# Altium PCB UDC_IHM_V2.0.PcbDoc (part 1 of 2)
Units mm, origin at the board's own origin, x right, y up, seen from the top; angles counter-clockwise.
Board outline 64.5 x 60 mm, 4 copper layers (Top Layer, VCC, GND, Bottom Layer), stack 1.542 mm thick; 91 components, 78 nets, 394 pads, 187 vias.
Unrouted connection lines stored in the file: 1.
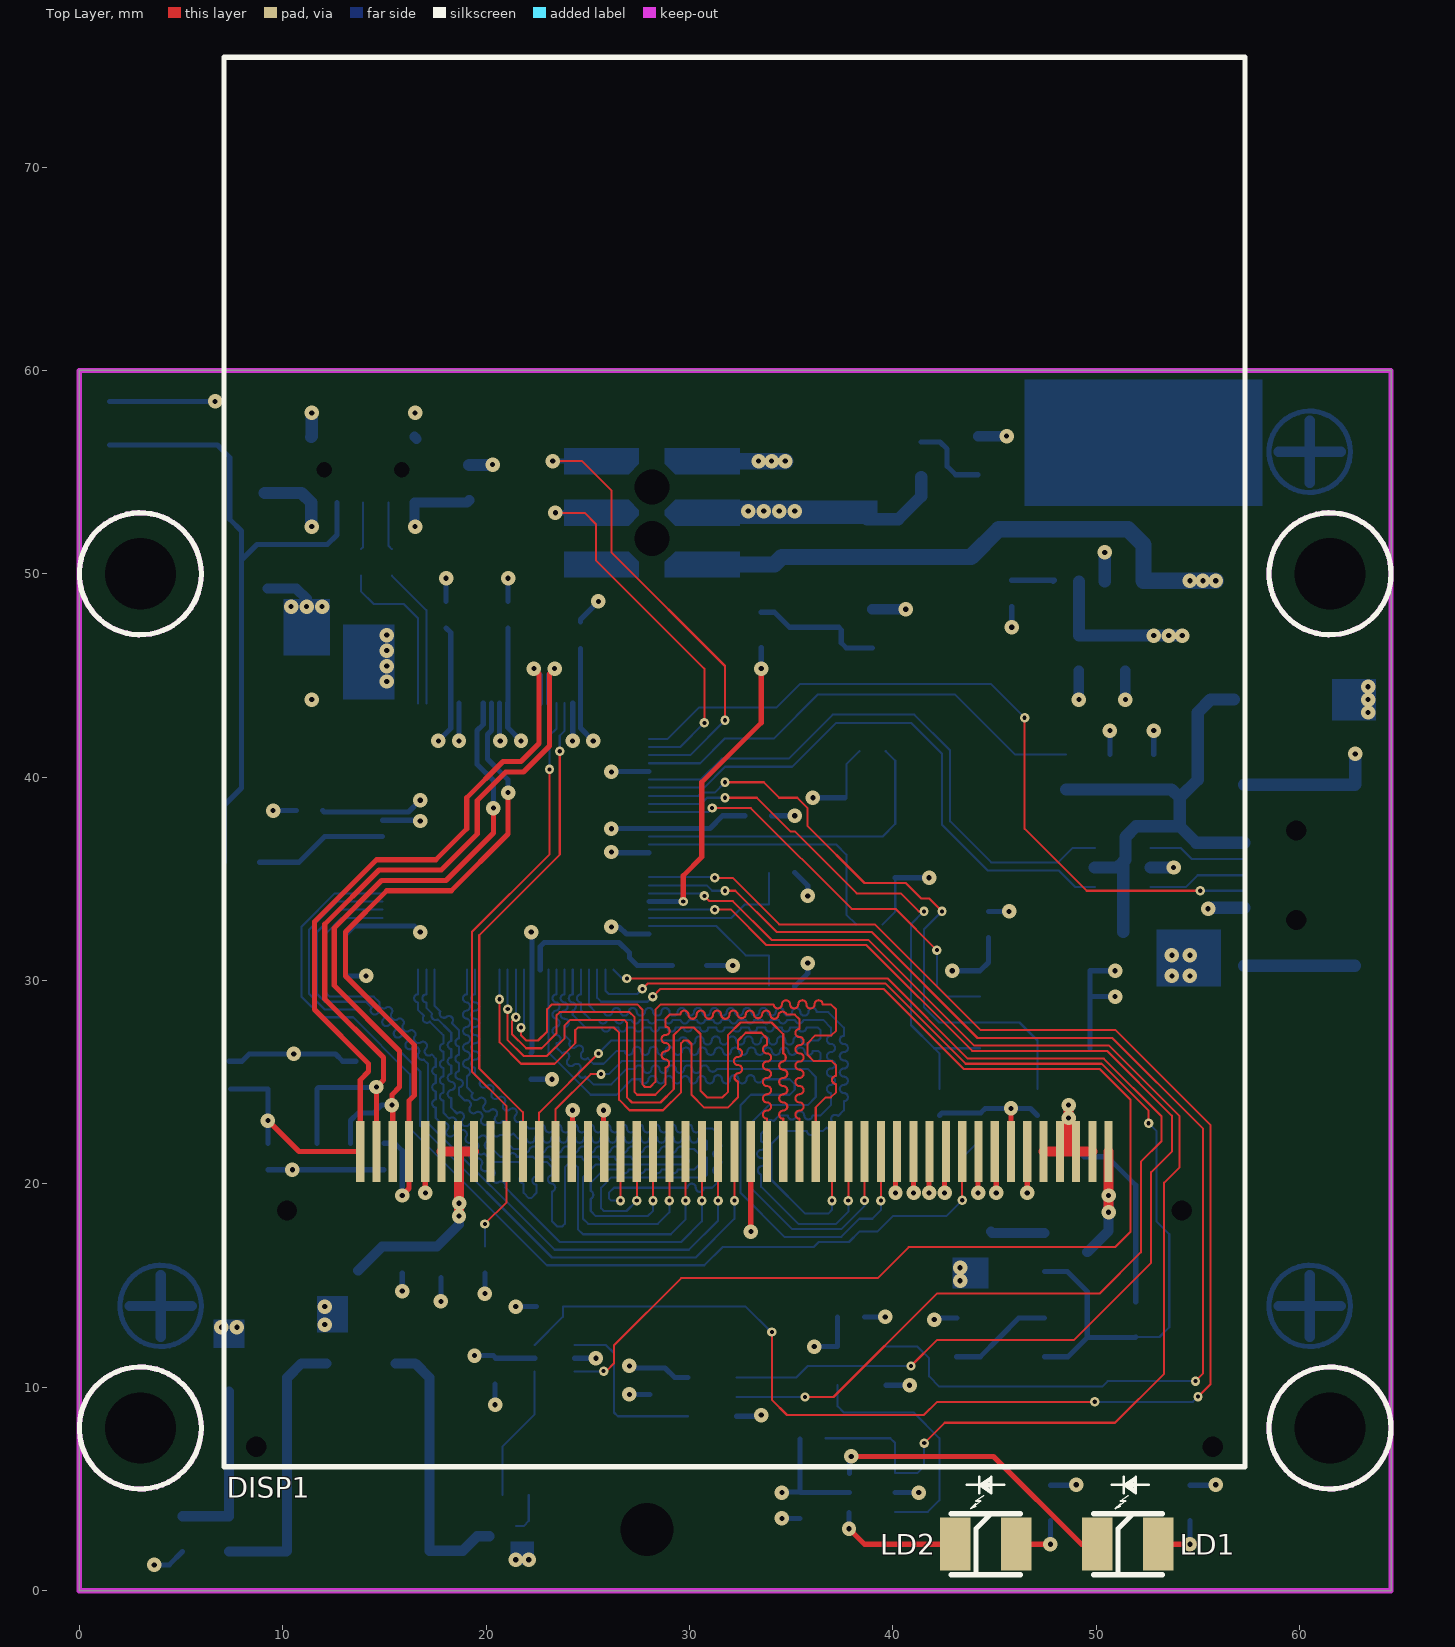
[diagram p0: Top Layer view]
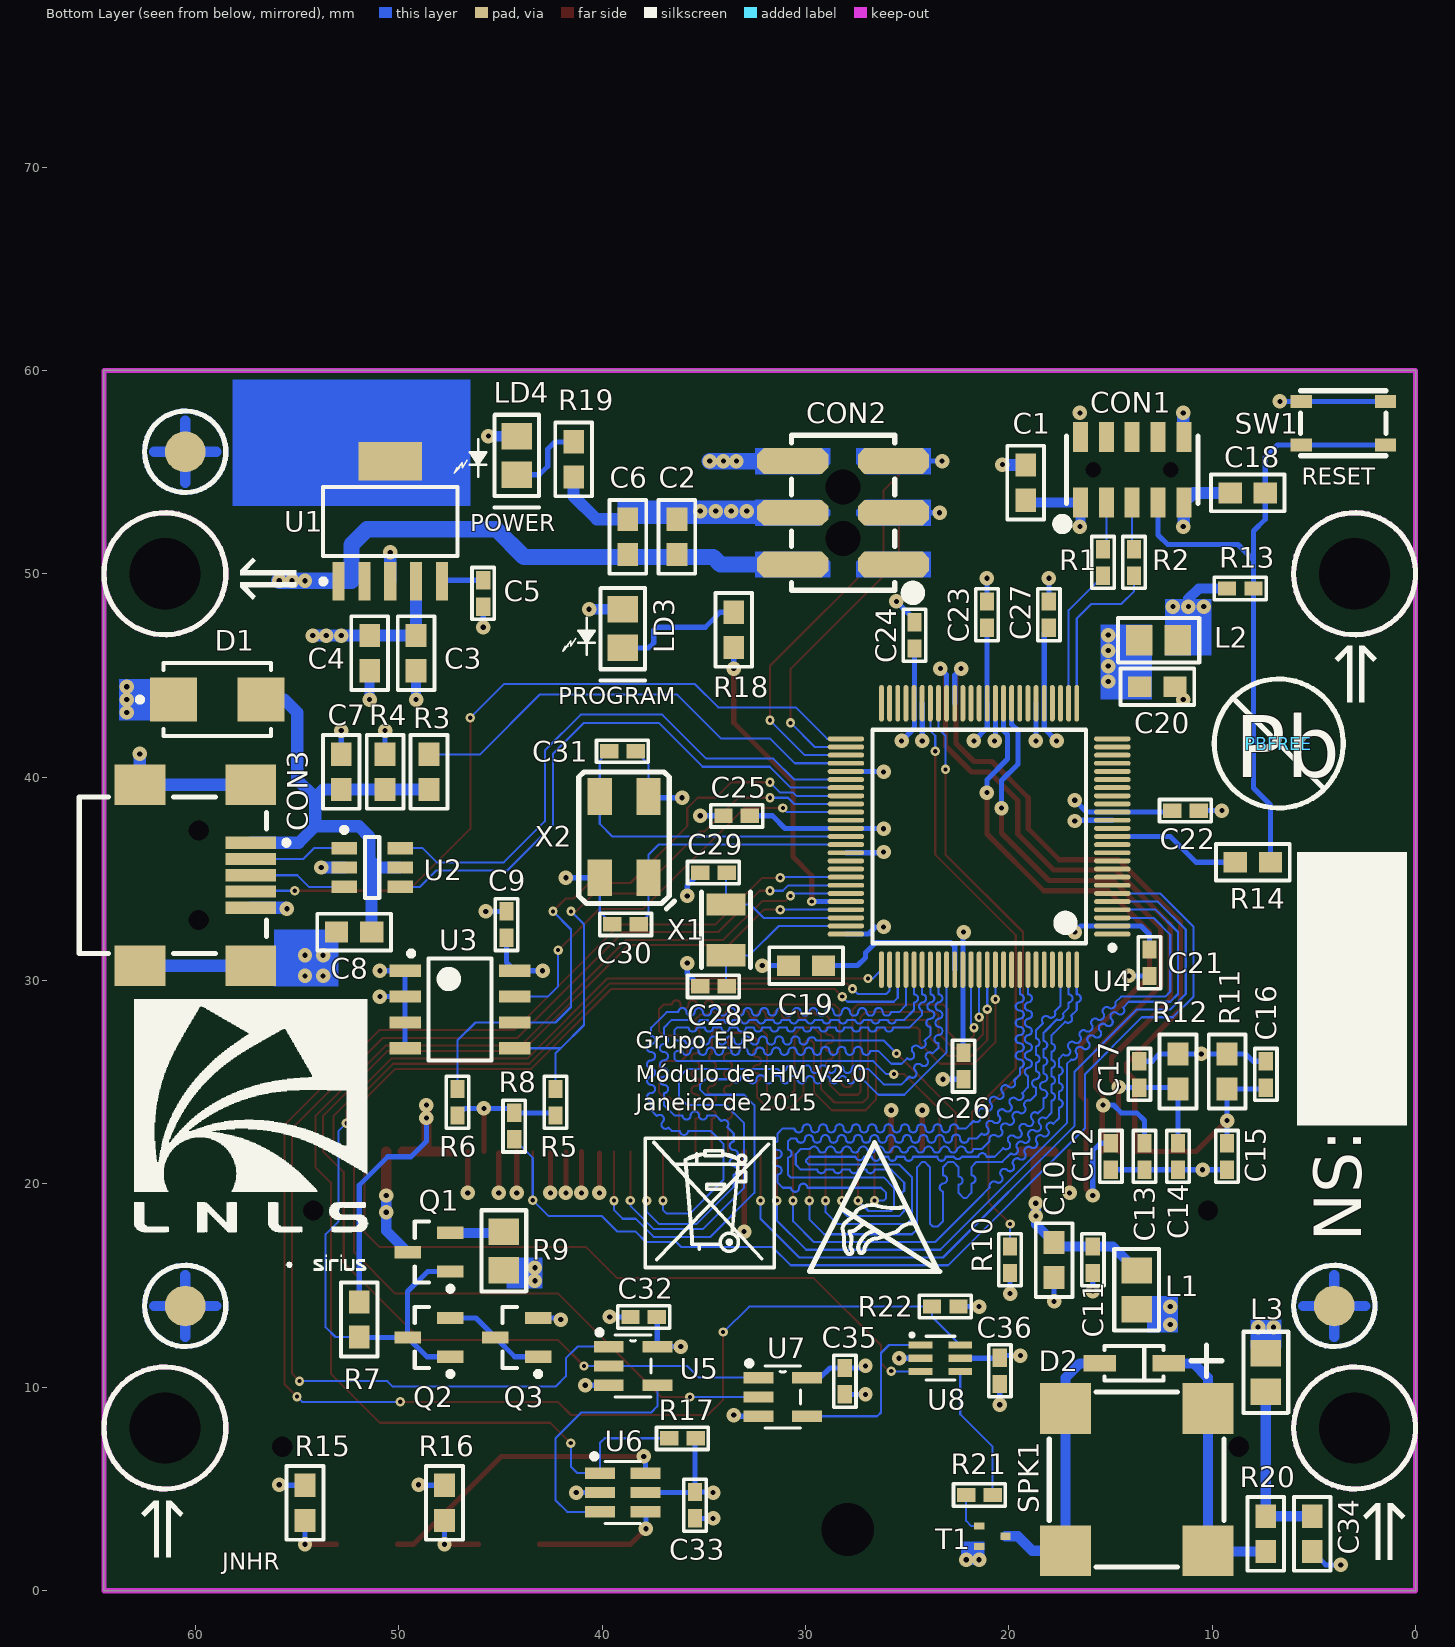
[diagram p1: Bottom Layer view, seen from below]
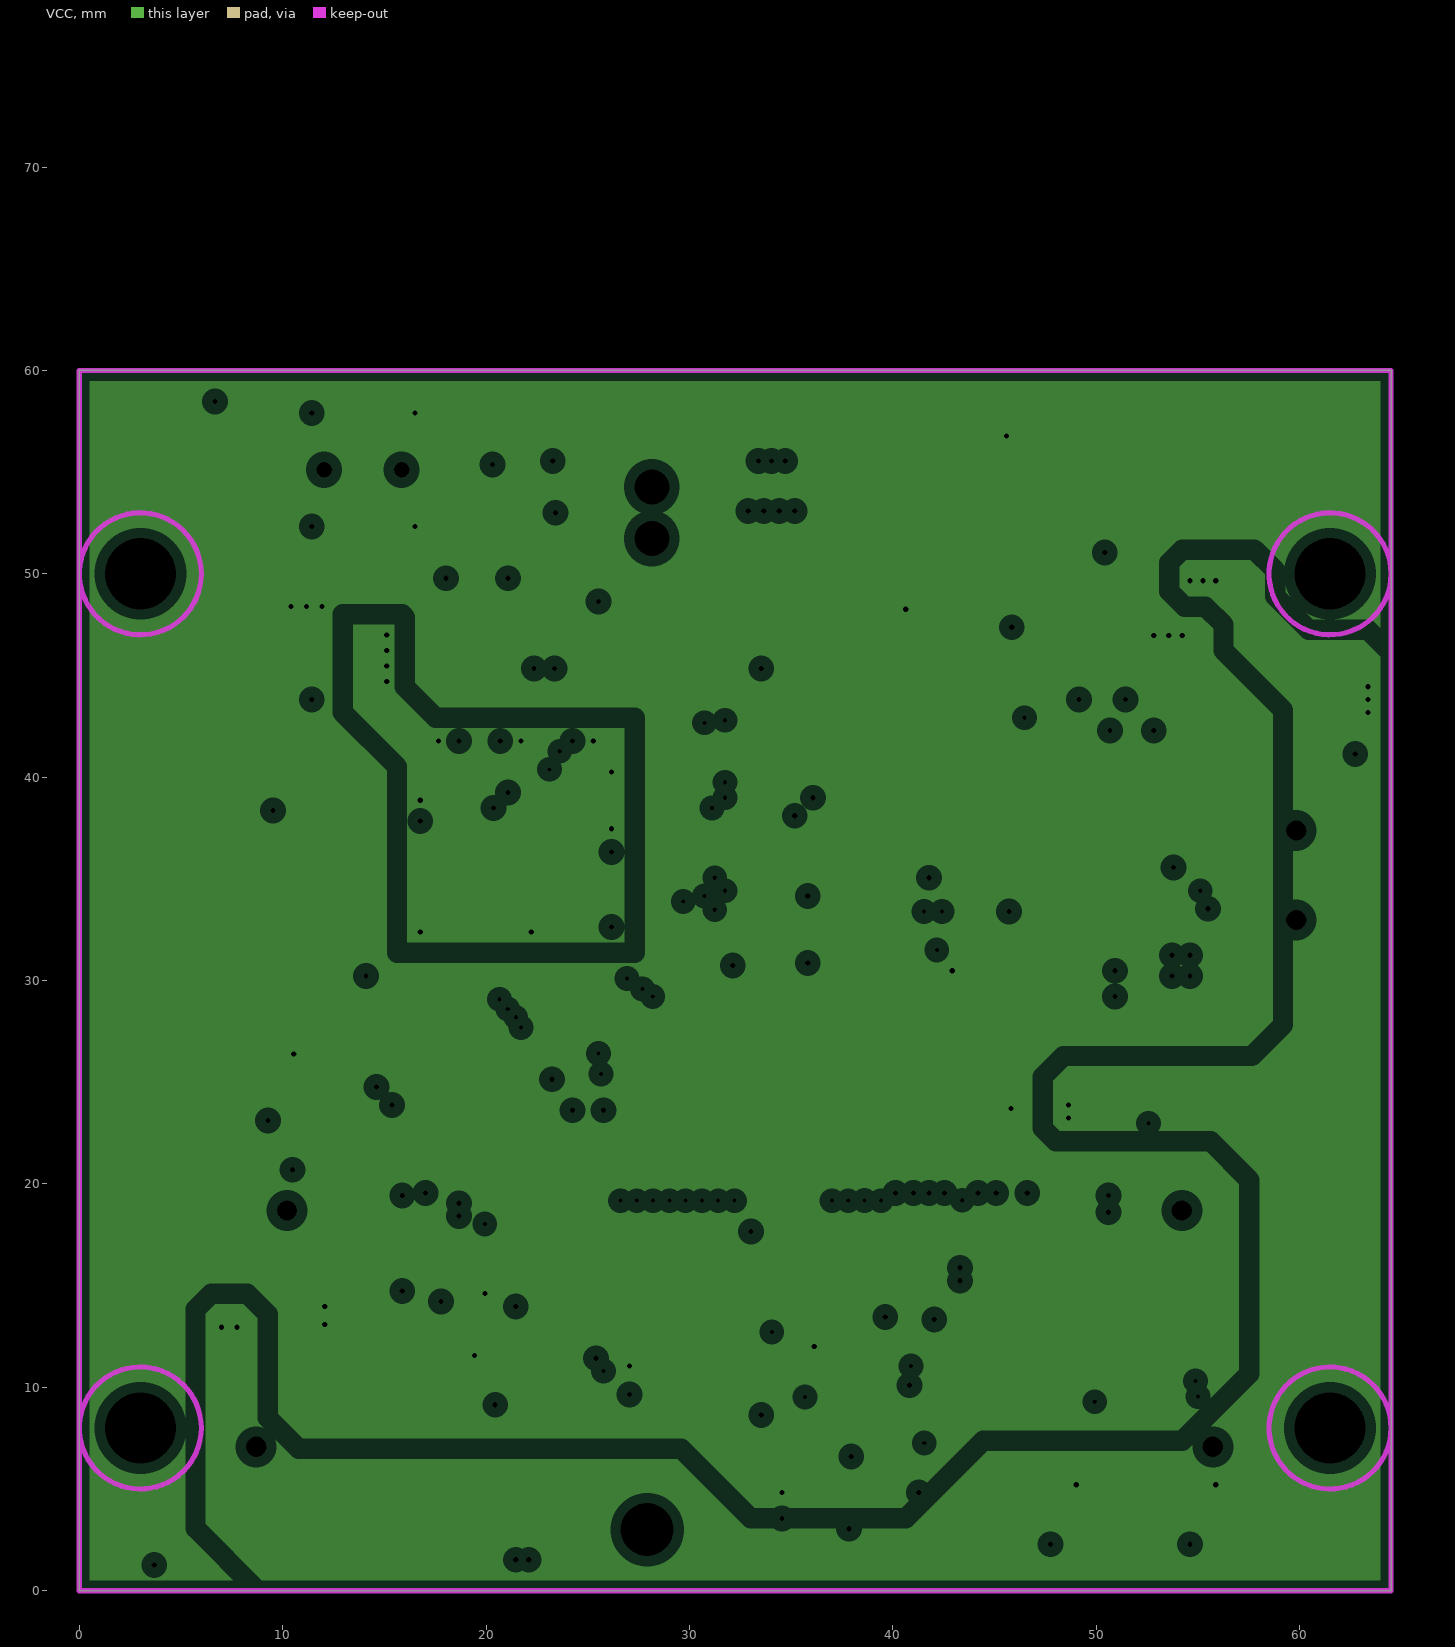
[diagram p2: VCC, clearances drawn from the general rule]
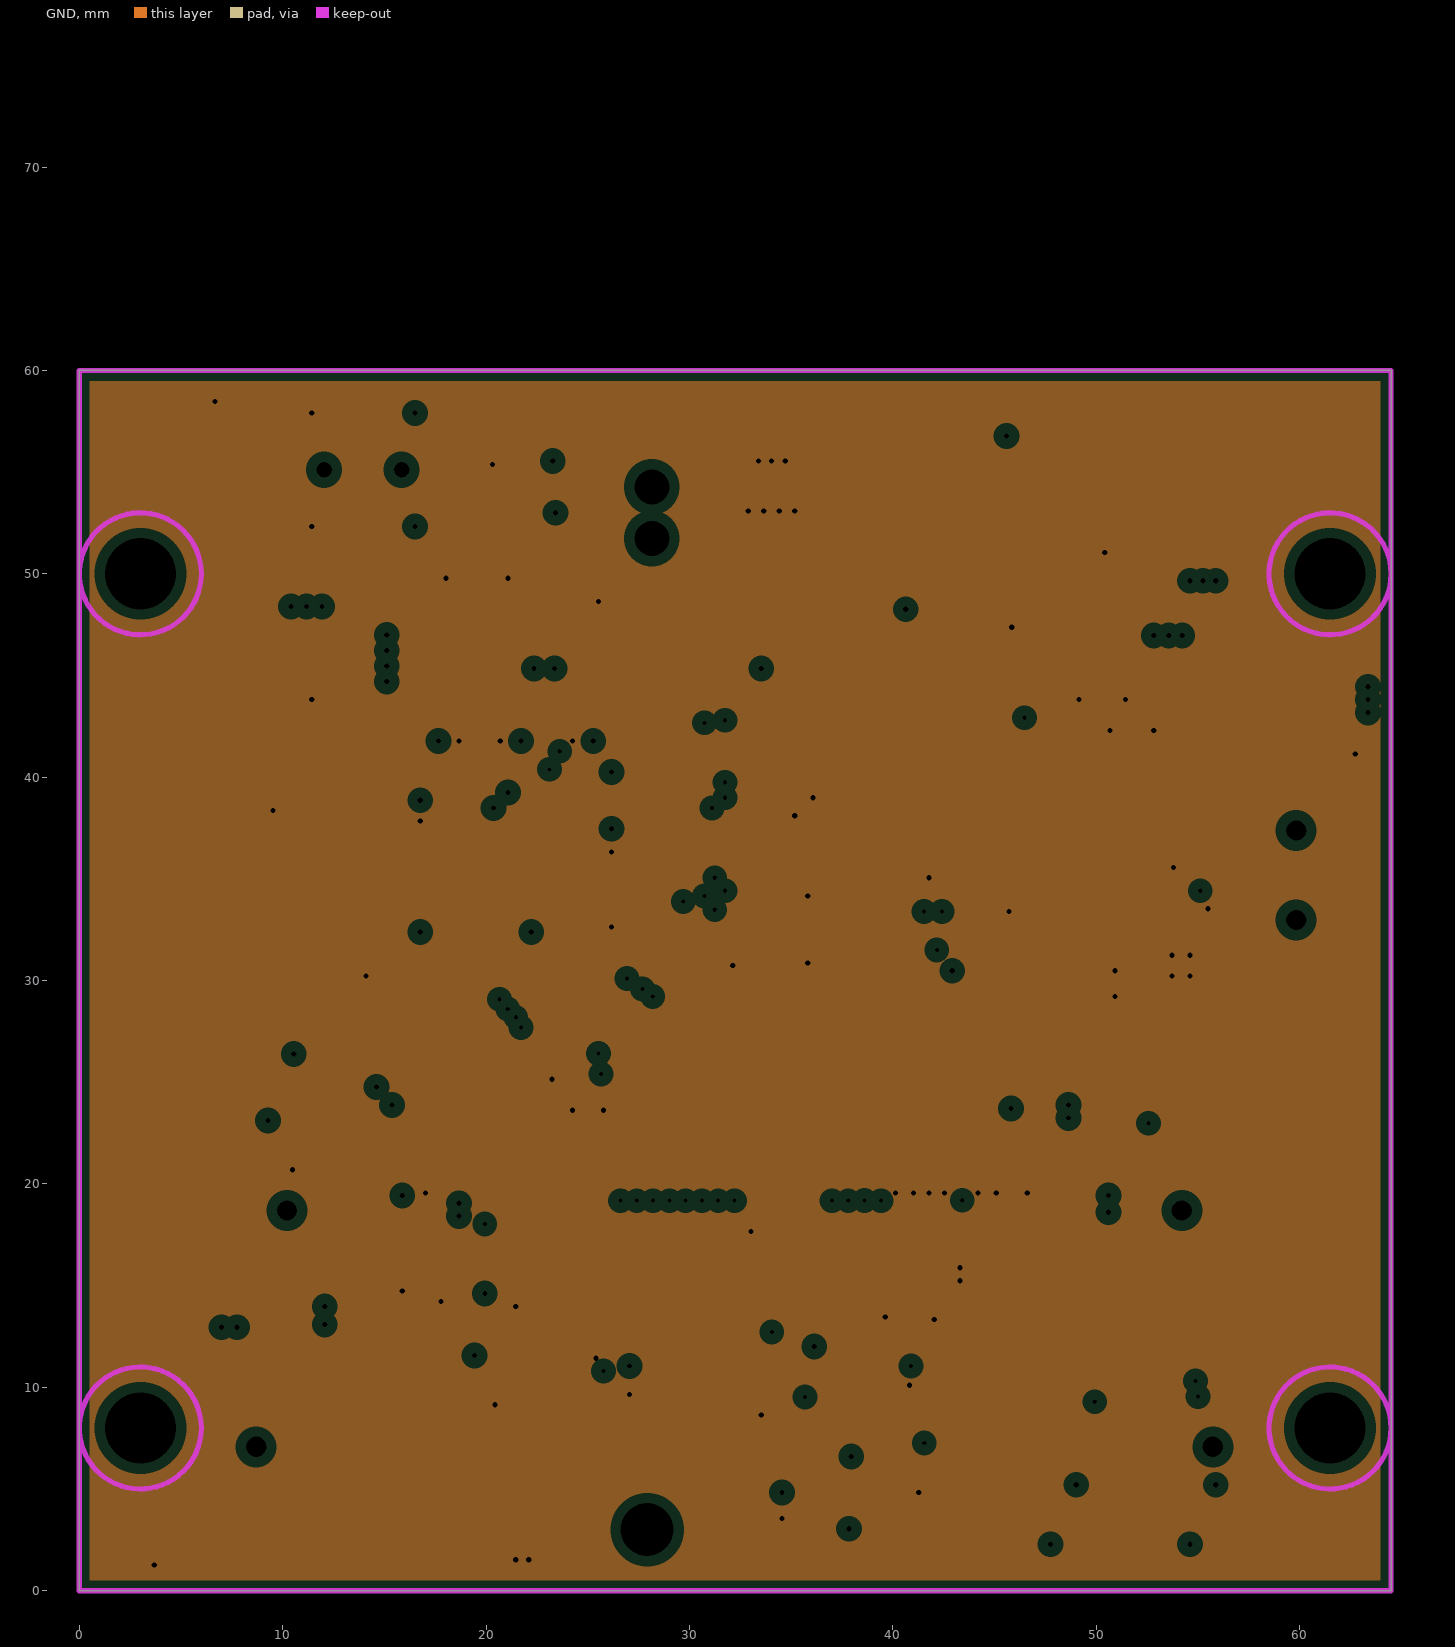
[diagram p3: GND, clearances drawn from the general rule]
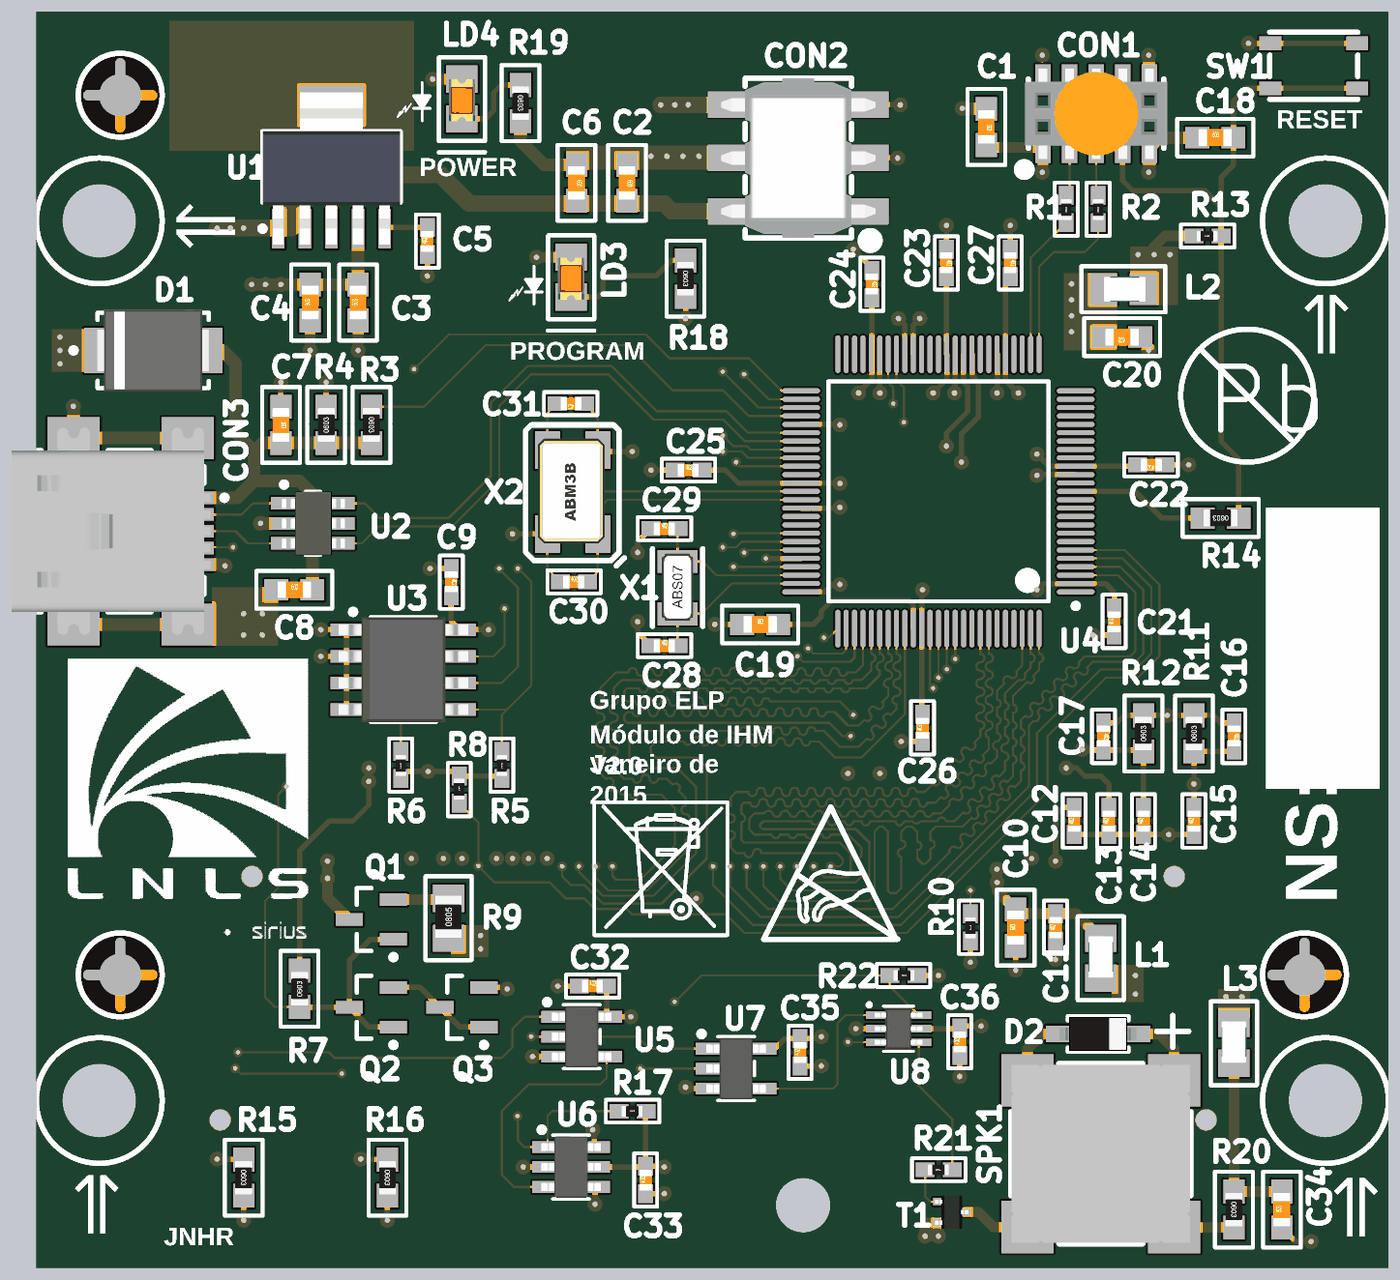
[diagram p5: 3D render of the assembled board from below, using the file's embedded part models]

## Layer stack, top to bottom
Top Layer: signal copper 0.0356
Dielectric: core 0.4, FR-4, Dk 4.8
VCC: plane copper 0.0356, net (Multiple Nets)
Dielectric: prepreg 0.6, FR-4, Dk 4.8
GND: plane copper 0.0356, net GND
Dielectric: core 0.4, FR-4, Dk 4.8
Bottom Layer: signal copper 0.0356

## Board outline
0,0 0,60 64.5,60 64.5,0

## Design rules (kind name [scope] priority, off if disabled: settings)
Clearance [All] p1: gap=0.102
Length Length_TFT [InNetClass('TFT')] p1: maxlimit=39.6 minlimit=39
PlaneClearance [All] p1: clearance=0.508
PlaneConnect [All] p1: planeconnectstyle=Direct reliefexpansion=0.508 reliefentries=4 reliefconductorwidth=0.254 reliefairgap=0.254
PolygonConnect [All] p1: connectstyle=Relief reliefconductorwidth=0.254 reliefentries=4 polygonreliefangle="90 Angle" airgapwidth=0.254
RoutingVias PWRVias [(InNet('VDD3V3') AND InNet('VDD5V') AND InNet('+5V_UEXT') AND InNet('GND'))] p1: holewidth=0.254 width=0.711 viastyle="Through Hole" minholewidth=0.254 minwidth=0.711 maxholewidth=0.254 maxwidth=0.711
RoutingVias StandardVias [All] p2: holewidth=0.33 width=0.762 viastyle="Through Hole" minholewidth=0.33 minwidth=0.762 maxholewidth=0.33 maxwidth=0.762
RoutingVias BGAVias [All] p3: holewidth=0.204 width=0.457 viastyle="Through Hole" minholewidth=0.204 minwidth=0.457 maxholewidth=0.204 maxwidth=0.457
RoutingVias BlindVias [All] p4: holewidth=0.16 width=0.355 viastyle="Through Hole" minholewidth=0.16 minwidth=0.355 maxholewidth=0.16 maxwidth=0.355
SolderMaskExpansion [All] p1: expansion=0.102
Width [All] p1: maxlimit=1 minlimit=0.102 preferedwidth=0.102
26 further rules are at their usual default settings.

## Classes and differential pairs
component class Connectors: C1 C2 C3 C4 C5 C6 C7 C8 C13 CON1 CON3 D1 R1 R2 R3 R4 R7 R8 U1 U2 U6
component class Display: C10 C11 C12 C13 C14 C15 C16 C17 DISP1 L1 Q1 Q2 Q3 R7 R8 R9 R10 R11 R12
component class PIC32: C18 C19 C20 C21 C22 C23 C24 C25 C26 C27 C28 C29 C30 C31 L2 R15 R16 SW1 U6 X1 X2
component class "Signals and Indicators": C32 C33 C34 C35 C36 D2 L3 LD1 LD2 LD3 LD4 R15 R16 R17 R18 R19 R20 R21 R22 SPK1 T1 U5 U6 U7 U8

## Components (designator, comment, footprint, x,y, rotation, side; value= is the part's Value field where it differs from the comment)
C1 "100nF" "0603 cap" 19.177,54.483 r270 bottom
C2 "10uF" "0603 cap" 36.322,51.816 r270 bottom locked
C3 "10uF" "0603 cap" 49.149,46.101 r90 bottom locked
C4 "100nF" "0603 cap" 51.435,46.101 r90 bottom
C5 "10nF" "0402 cap" 45.847,48.387 r90 bottom locked
C6 "100nF" "0603 cap" 38.735,51.816 r270 bottom
C7 "10uF" "0603 cap" 52.832,40.259 r270 bottom locked
C8 "100nF" "0603 cap" 52.197,32.385 r180 bottom
C9 "100nF" "0402 cap" 44.704,33.401 r270 bottom locked
C10 "10uF" "0603 cap" 17.78,16.256 r90 bottom locked
C11 "100nF" "0402 cap" 15.875,15.621 r90 bottom locked
C12 "10nF" "0402 cap" 14.986,20.701 r90 bottom locked
C13 "10nF" "0402 cap" 13.335,20.701 r90 bottom locked
C14 "10nF" "0402 cap" 11.684,20.701 r90 bottom locked
C15 "10nF" "0402 cap" 9.271,20.701 r90 bottom locked
C16 "10nF" "0402 cap" 7.366,26.035 r270 bottom locked
C17 "10nF" "0402 cap" 13.589,26.035 r270 bottom locked
C18 "100nF" "0603 cap" 8.255,53.975 r180 bottom locked
C19 "10uF" "0603 cap" 29.972,30.734 r180 bottom
C20 "10uF" "0603 cap" 12.7,44.45 r0 bottom locked
C21 "100nF" "0402 cap" 13.081,30.226 r90 bottom locked
C22 "100nF" "0402 cap" 10.668,38.354 r0 bottom locked
C23 "100nF" "0402 cap" 21.082,48.641 r270 bottom locked
C24 "100nF" "0402 cap" 24.638,47.625 r270 bottom locked
C25 "100nF" "0402 cap" 34.036,38.1 r180 bottom
C26 "100nF" "0402 cap" 22.225,25.146 r90 bottom locked
C27 "100nF" "0402 cap" 18.034,48.641 r270 bottom locked
C28 "22pF" "0402 cap" 35.179,29.718 r180 bottom locked
C29 "22pF" "0402 cap" 35.179,35.306 r180 bottom locked
C30 "22pF" "0402 cap" 39.497,32.766 r180 bottom locked
C31 "22pF" "0402 cap" 38.354,41.275 r0 bottom locked
C32 "100nF" "0402 cap" 38.608,13.462 r180 bottom locked
C33 "100nF" "0402 cap" 35.433,3.556 r90 bottom
C34 "10uF" "0603 cap" 5.08,2.794 r90 bottom locked
C35 "100nF" "0402 cap" 28.067,9.652 r90 bottom locked
C36 "100nF" "0402 cap" 20.447,10.16 r90 bottom locked
CON1 "CLP-105-02-L-D-A-K-TR" CLP-105-02-L-D-A-K-TR 13.94,55.118 r180 bottom locked
CON2 "TSM-103-01-S-DV-A-M-TR" TSM-103-01-S-DV-A-M-TR 28.15,53 r270 bottom locked
CON3 "MUSB-05-S-B-SM-A-K-TR" MUSB-05-S-B-SM-A 57.277,35.179 r90 bottom locked
D1 "ES2A" DIOM5336X265N 58.928,43.815 r180 bottom locked
D2 "MMSD4148" SOD123 13.843,11.176 r180 bottom locked
DISP1 "MI0283QT-9A" MI0283QT-9A 7.112,6.096 r0 top locked
L1 "220R/100Mhz" "0805 ferrit" 13.716,13.843 r90 bottom locked
L2 "220R/100Mhz" "0805 ferrit" 13.589,46.736 r180 bottom locked
L3 "220R/100Mhz" "0805 ferrit" 7.366,9.779 r90 bottom
LD1 "AA3528CGSK" P-LCC-2 51.562,2.286 r0 top locked
LD2 "HSMC-A100-Q00J1" P-LCC-2 44.577,2.286 r0 top locked
LD3 "LTST-C170KRKT" 0805_LED 38.989,48.26 r270 bottom locked
LD4 "LTST-C170KRKT" 0805_LED 44.196,56.769 r270 bottom locked